# Altium PCB LOGTURTLE_APR_25_TX.PcbDoc (part 4 of 5) (continued)
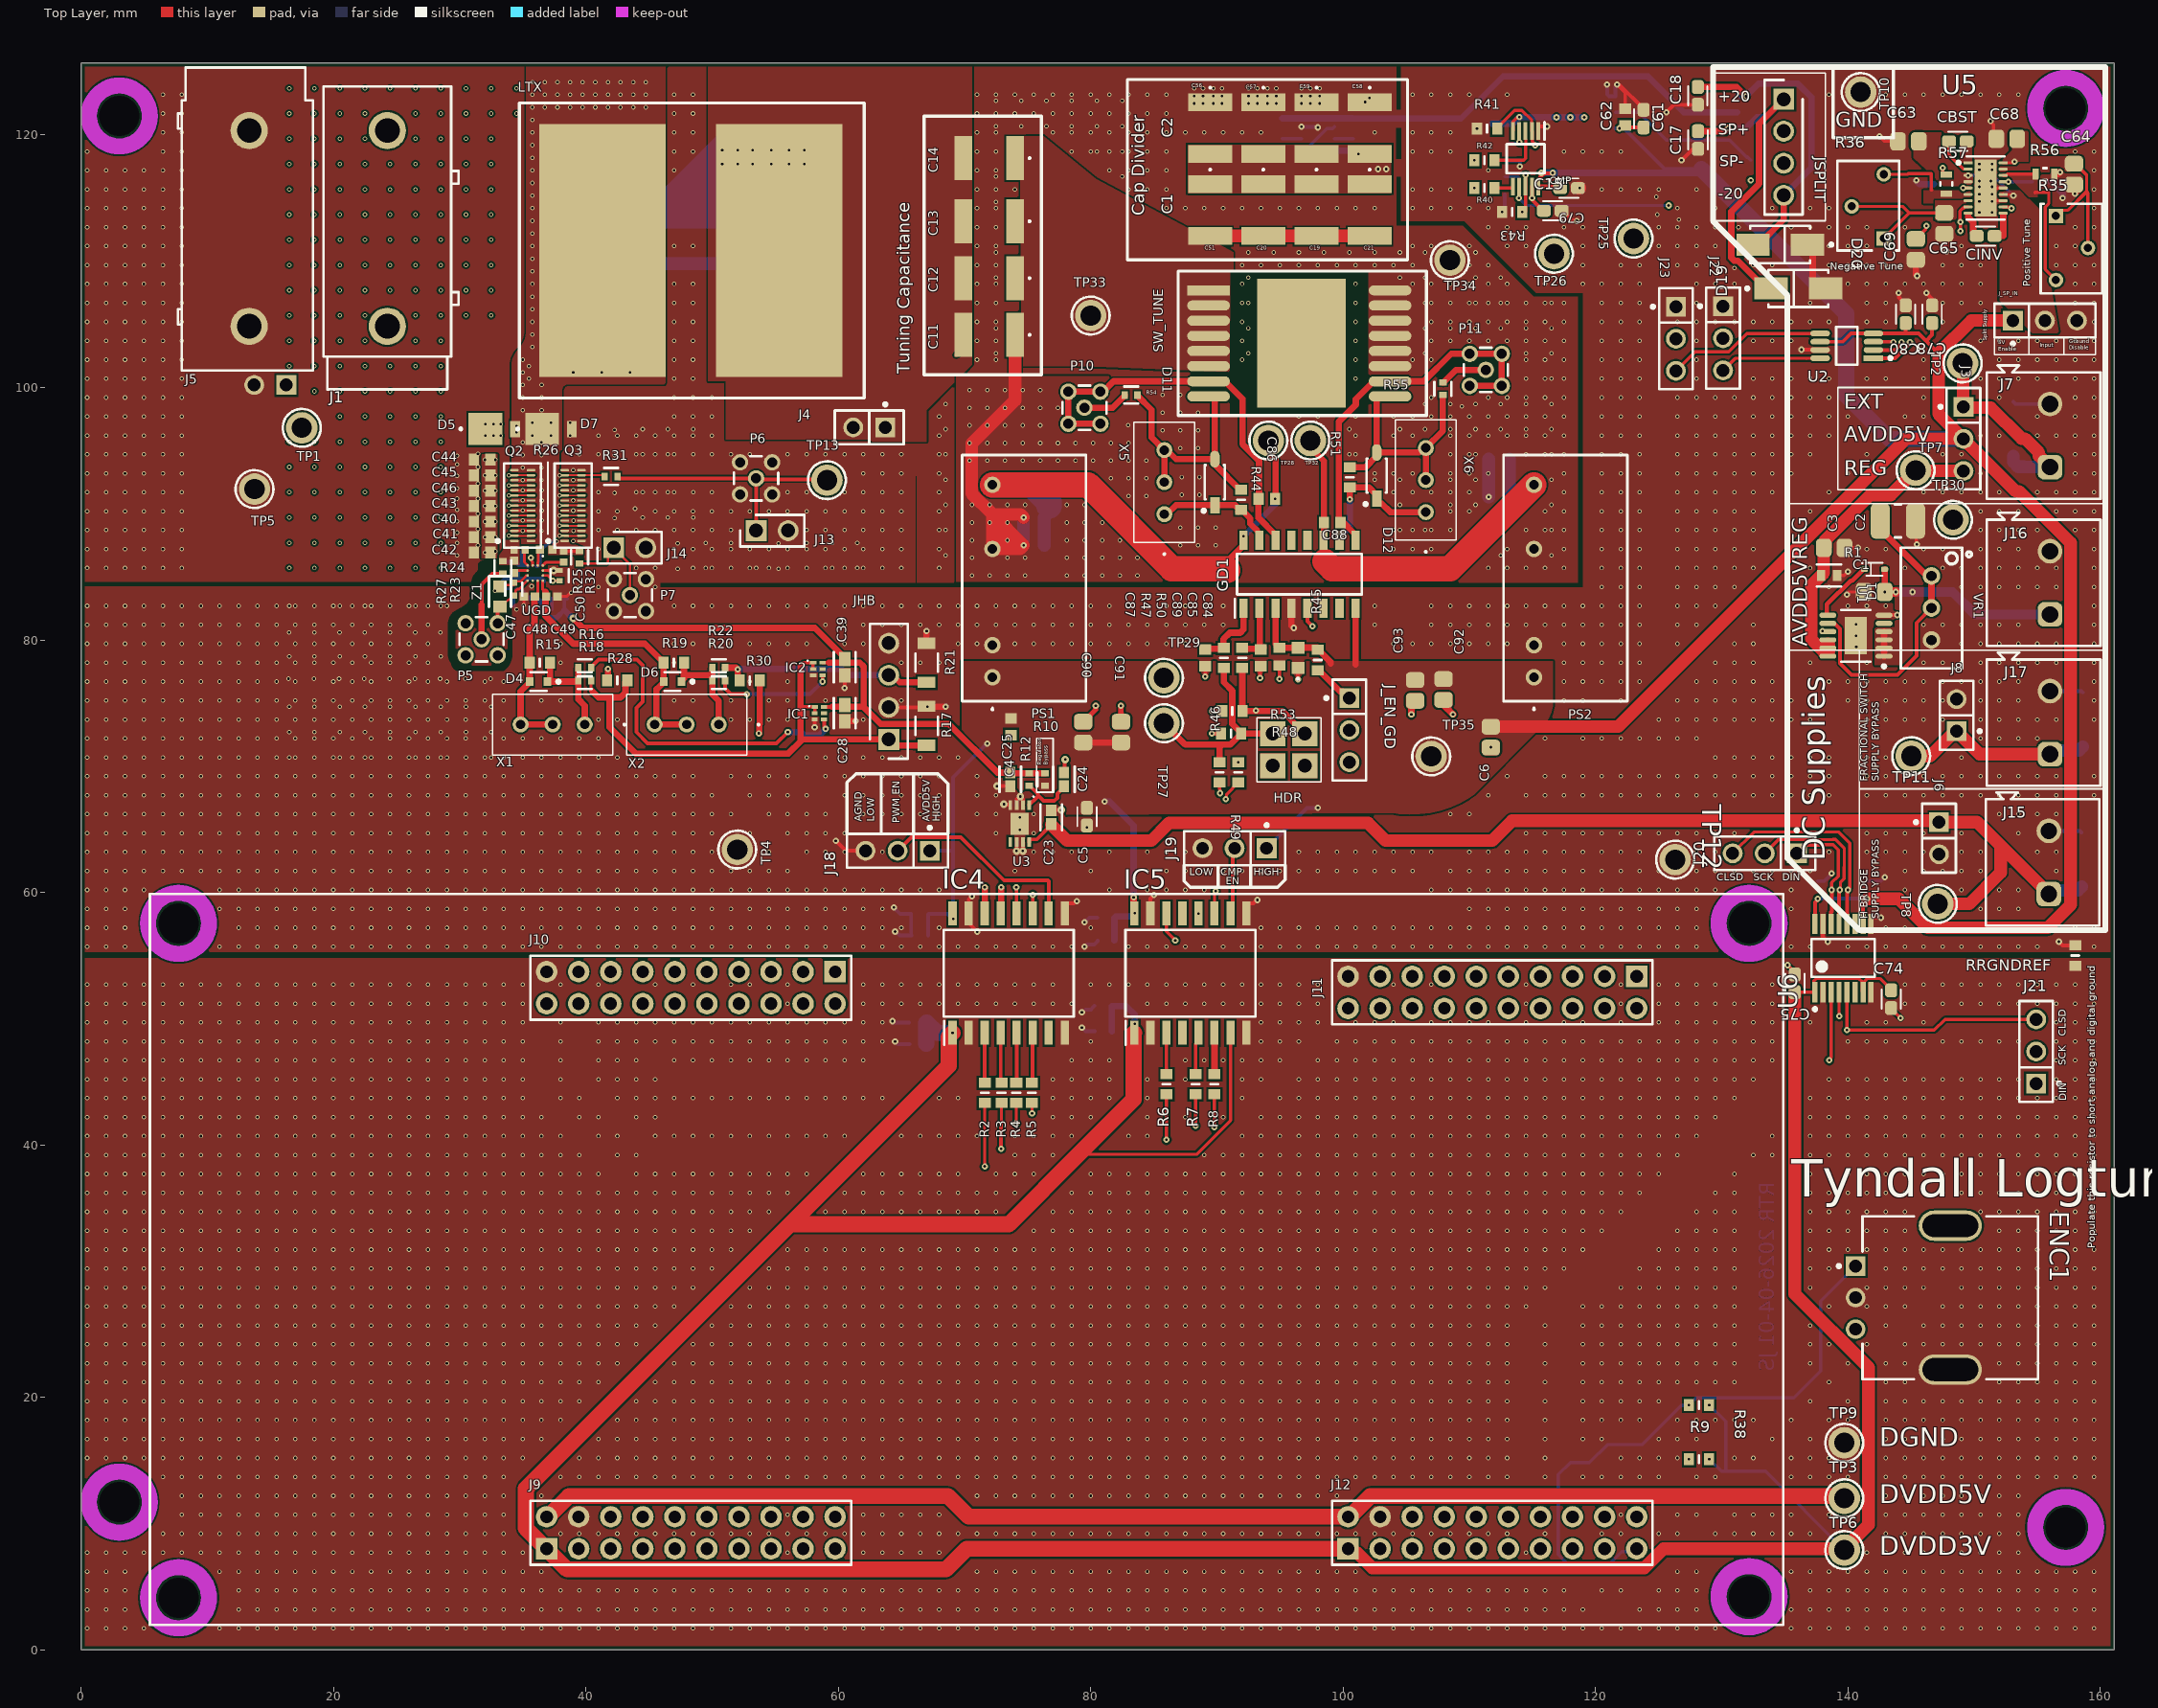
[diagram p0: Top Layer view]
## Nets (pads, with @x,y where several pads share a name; then routed paths per layer and width w, separated by ;. In a path a pad name is that pad's centre, name@x,y a point inside that pad or via, vN(x,y) a via of type N, cw(c..) or ccw(c..) an arc to the next point about the centre after c; other vN are vias at no path point) (continued)
  other v1: 0.49,55.7 1.99,55.7 3.49,55.7 10.99,55.7 12.49,55.7 13.99,55.7 15.49,55.7 16.99,55.7 18.49,55.7 19.99,55.7 21.49,55.7 22.99,55.7 24.49,55.7 25.99,55.7 27.49,55.7 28.99,55.7 30.49,55.7 31.99,55.7 33.49,55.7 34.99,55.7 36.49,55.7 37.99,55.7 39.49,55.7 40.99,55.7 42.49,55.7 43.99,55.7 45.49,55.7 46.99,55.7 48.49,55.7 49.99,55.7 51.49,55.7 52.99,55.7 54.49,55.7 55.99,55.7 57.49,55.7 58.99,55.7 60.49,55.7 61.99,55.7 63.49,55.7 64.99,55.7 66.49,55.7 67.99,55.7 69.49,55.7 70.99,55.7 72.49,55.7 73.99,55.7 75.49,55.7 76.99,55.7 78.49,55.7 82.99,55.7 84.49,55.7 85.99,55.7 87.49,55.7 88.99,55.7 90.49,55.7 91.99,55.7 93.49,55.7 94.99,55.7 96.49,55.7 97.99,55.7 99.49,55.7 100.99,55.7 102.49,55.7 103.99,55.7 105.49,55.7 106.99,55.7 108.49,55.7 109.99,55.7 111.49,55.7 112.99,55.7 114.49,55.7 115.99,55.7 117.49,55.7 118.99,55.7 120.49,55.7 121.99,55.7 123.49,55.7 124.99,55.7 126.49,55.7 127.99,55.7 135.49,55.7 136.99,55.7 139.99,55.7 141.49,55.7 142.99,55.7 144.49,55.7 145.99,55.7 147.49,55.7 148.99,55.7 150.49,55.7 151.99,55.7 153.49,55.7 154.99,55.7 159.49,55.7 0.49,57.2 1.99,57.2 3.49,57.2 12.49,57.2 13.99,57.2 15.49,57.2 16.99,57.2 18.49,57.2 19.99,57.2 21.49,57.2 22.99,57.2 24.49,57.2 25.99,57.2 27.49,57.2 28.99,57.2 30.49,57.2 31.99,57.2 33.49,57.2 34.99,57.2 36.49,57.2 37.99,57.2 39.49,57.2 40.99,57.2 42.49,57.2 43.99,57.2 45.49,57.2 46.99,57.2 48.49,57.2 49.99,57.2 51.49,57.2 52.99,57.2 54.49,57.2 55.99,57.2 57.49,57.2 58.99,57.2 60.49,57.2 61.99,57.2 63.49,57.2 64.99,57.2 67.99,57.2 79.99,57.2 93.49,57.2 94.99,57.2 96.49,57.2 97.99,57.2 99.49,57.2 100.99,57.2 102.49,57.2 103.99,57.2 105.49,57.2 106.99,57.2 108.49,57.2 109.99,57.2 111.49,57.2 112.99,57.2 114.49,57.2 115.99,57.2 117.49,57.2 118.99,57.2 120.49,57.2 121.99,57.2 123.49,57.2 124.99,57.2 126.49,57.2 127.99,57.2 142.99,57.2 144.49,57.2 157.99,57.2 159.49,57.2 0.49,58.7 1.99,58.7 3.49,58.7 10.99,58.7 12.49,58.7 13.99,58.7 15.49,58.7 16.99,58.7 18.49,58.7 19.99,58.7 21.49,58.7 22.99,58.7 24.49,58.7 25.99,58.7 27.49,58.7 28.99,58.7 30.49,58.7 31.99,58.7 33.49,58.7 34.99,58.7 36.49,58.7 37.99,58.7 39.49,58.7 40.99,58.7 42.49,58.7 43.99,58.7 45.49,58.7 46.99,58.7 48.49,58.7 49.99,58.7 51.49,58.7 52.99,58.7 54.49,58.7 55.99,58.7 57.49,58.7 58.99,58.7 60.49,58.7 61.99,58.7 63.49,58.7 109.99,58.7 111.49,58.7 112.99,58.7 114.49,58.7 115.99,58.7 117.49,58.7 118.99,58.7 120.49,58.7 121.99,58.7 123.49,58.7 124.99,58.7 126.49,58.7 127.99,58.7 135.49,58.7 150.49,58.7 151.99,58.7 153.49,58.7 0.49,60.2 1.99,60.2 3.49,60.2 4.99,60.2 10.99,60.2 12.49,60.2 13.99,60.2 15.49,60.2 16.99,60.2 18.49,60.2 19.99,60.2 21.49,60.2 22.99,60.2 24.49,60.2 25.99,60.2 27.49,60.2 28.99,60.2 30.49,60.2 31.99,60.2 33.49,60.2 34.99,60.2 36.49,60.2 37.99,60.2 39.49,60.2 40.99,60.2 42.49,60.2 43.99,60.2 45.49,60.2 46.99,60.2 48.49,60.2 49.99,60.2 51.49,60.2 52.99,60.2 54.49,60.2 55.99,60.2 57.49,60.2 58.99,60.2 60.49,60.2 61.99,60.2 63.49,60.2 64.99,60.2 66.49,60.2 67.99,60.2 81.49,60.2 84.49,60.2 85.99,60.2 87.49,60.2 88.99,60.2 106.99,60.2 108.49,60.2 109.99,60.2 111.49,60.2 112.99,60.2 114.49,60.2 115.99,60.2 117.49,60.2 118.99,60.2 120.49,60.2 121.99,60.2 123.49,60.2 124.99,60.2 126.49,60.2 127.99,60.2 129.49,60.2 135.49,60.2 144.49,60.2 148.99,60.2 151.99,60.2 153.49,60.2 0.49,61.7 1.99,61.7 3.49,61.7 4.99,61.7 6.49,61.7 7.99,61.7 9.49,61.7 10.99,61.7 12.49,61.7 13.99,61.7 15.49,61.7 16.99,61.7 18.49,61.7 19.99,61.7 21.49,61.7 22.99,61.7 24.49,61.7 25.99,61.7 27.49,61.7 28.99,61.7 30.49,61.7 31.99,61.7 33.49,61.7 34.99,61.7 36.49,61.7 37.99,61.7 39.49,61.7 40.99,61.7 42.49,61.7 43.99,61.7 45.49,61.7 46.99,61.7 48.49,61.7 49.99,61.7 51.49,61.7 52.99,61.7 54.49,61.7 55.99,61.7 73.99,61.7 79.99,61.7 84.49,61.7 85.99,61.7 87.49,61.7 88.99,61.7 90.49,61.7 91.99,61.7 93.49,61.7 94.99,61.7 96.49,61.7 97.99,61.7 99.49,61.7 100.99,61.7 102.49,61.7 103.99,61.7 105.49,61.7 108.49,61.7 109.99,61.7 111.49,61.7 112.99,61.7 114.49,61.7 115.99,61.7 117.49,61.7 118.99,61.7 120.49,61.7 121.99,61.7 123.49,61.7 124.99,61.7 127.99,61.7 129.49,61.7 130.99,61.7 132.49,61.7 133.99,61.7 135.49,61.7 136.99,61.7 144.49,61.7 145.99,61.7 147.49,61.7 148.99,61.7 150.49,61.7 156.49,61.7 0.49,63.2 1.99,63.2 3.49,63.2 4.99,63.2 6.49,63.2 7.99,63.2 9.49,63.2 10.99,63.2 12.49,63.2 13.99,63.2 15.49,63.2 16.99,63.2 18.49,63.2 19.99,63.2 21.49,63.2 22.99,63.2 24.49,63.2 25.99,63.2 27.49,63.2 28.99,63.2 30.49,63.2 31.99,63.2 33.49,63.2 34.99,63.2 36.49,63.2 37.99,63.2 39.49,63.2 40.99,63.2 42.49,63.2 43.99,63.2 45.49,63.2 46.99,63.2 48.49,63.2 49.99,63.2 54.49,63.2 57.49,63.2 58.99,63.2 60.49,63.2 63.49,63.2 75.49,63.2 76.99,63.2 78.49,63.2 81.49,63.2 84.49,63.2 85.99,63.2 87.49,63.2 96.49,63.2 97.99,63.2 99.49,63.2 100.99,63.2 102.49,63.2 103.99,63.2 105.49,63.2 106.99,63.2 109.99,63.2 111.49,63.2 112.99,63.2 114.49,63.2 115.99,63.2 117.49,63.2 118.99,63.2 120.49,63.2 121.99,63.2 123.49,63.2 127.99,63.2 129.49,63.2 138.49,63.2 141.49,63.2 142.99,63.2 144.49,63.2 145.99,63.2 148.99,63.2 150.49,63.2 154.99,63.2 156.49,63.2 0.49,64.7 1.99,64.7 3.49,64.7 4.99,64.7 6.49,64.7 7.99,64.7 9.49,64.7 10.99,64.7 12.49,64.7 13.99,64.7 15.49,64.7 16.99,64.7 18.49,64.7 19.99,64.7 21.49,64.7 22.99,64.7 24.49,64.7 25.99,64.7 27.49,64.7 28.99,64.7 30.49,64.7 31.99,64.7 33.49,64.7 34.99,64.7 36.49,64.7 37.99,64.7 39.49,64.7 40.99,64.7 42.49,64.7 43.99,64.7 45.49,64.7 46.99,64.7 48.49,64.7 49.99,64.7 52.99,64.7 55.99,64.7 57.49,64.7 58.99,64.7 60.49,64.7 72.49,64.7 75.49,64.7 114.49,64.7 115.99,64.7 117.49,64.7 118.99,64.7 120.49,64.7 121.99,64.7 123.49,64.7 124.99,64.7 126.49,64.7 127.99,64.7 129.49,64.7 130.99,64.7 141.49,64.7 142.99,64.7 144.49,64.7 145.99,64.7 148.99,64.7 153.49,64.7 0.49,66.2 1.99,66.2 3.49,66.2 4.99,66.2 6.49,66.2 7.99,66.2 9.49,66.2 10.99,66.2 12.49,66.2 13.99,66.2 15.49,66.2 16.99,66.2 18.49,66.2 19.99,66.2 21.49,66.2 22.99,66.2 24.49,66.2 25.99,66.2 27.49,66.2 28.99,66.2 30.49,66.2 31.99,66.2 33.49,66.2 34.99,66.2 36.49,66.2 37.99,66.2 39.49,66.2 40.99,66.2 42.49,66.2 43.99,66.2 45.49,66.2 46.99,66.2 48.49,66.2 49.99,66.2 51.49,66.2 54.49,66.2 55.99,66.2 57.49,66.2 58.99,66.2 61.99,66.2 63.49,66.2 64.99,66.2 66.49,66.2 67.99,66.2 70.99,66.2 72.49,66.2 75.49,66.2 108.49,66.2 109.99,66.2 151.99,66.2 153.49,66.2 154.99,66.2 156.49,66.2 0.49,67.7 1.99,67.7 3.49,67.7 4.99,67.7 6.49,67.7 7.99,67.7 9.49,67.7 10.99,67.7 12.49,67.7 13.99,67.7 15.49,67.7 16.99,67.7 18.49,67.7 19.99,67.7 21.49,67.7 22.99,67.7 24.49,67.7 25.99,67.7 27.49,67.7 28.99,67.7 30.49,67.7 31.99,67.7 33.49,67.7 34.99,67.7 36.49,67.7 37.99,67.7 39.49,67.7 40.99,67.7 42.49,67.7 43.99,67.7 45.49,67.7 46.99,67.7 48.49,67.7 49.99,67.7 52.99,67.7 54.49,67.7 55.99,67.7 57.49,67.7 60.49,67.7 61.99,67.7 63.49,67.7 64.99,67.7 66.49,67.7 67.99,67.7 70.99,67.7 72.49,67.7 111.49,67.7 114.49,67.7 115.99,67.7 117.49,67.7 118.99,67.7 120.49,67.7 121.99,67.7 123.49,67.7 124.99,67.7 126.49,67.7 127.99,67.7 129.49,67.7 130.99,67.7 132.49,67.7 133.99,67.7 135.49,67.7 136.99,67.7 138.49,67.7 141.49,67.7 142.99,67.7 144.49,67.7 145.99,67.7 147.49,67.7 148.99,67.7 150.49,67.7 151.99,67.7 153.49,67.7 154.99,67.7 156.49,67.7 159.49,67.7 0.49,69.2 1.99,69.2 3.49,69.2 4.99,69.2 6.49,69.2 7.99,69.2 9.49,69.2 10.99,69.2 12.49,69.2 13.99,69.2 15.49,69.2 16.99,69.2 18.49,69.2 19.99,69.2 21.49,69.2 22.99,69.2 24.49,69.2 25.99,69.2 27.49,69.2 28.99,69.2 30.49,69.2 31.99,69.2 33.49,69.2 34.99,69.2 36.49,69.2 37.99,69.2 39.49,69.2 40.99,69.2 42.49,69.2 43.99,69.2 45.49,69.2 46.99,69.2 48.49,69.2 51.49,69.2 52.99,69.2 54.49,69.2 55.99,69.2 58.99,69.2 60.49,69.2 61.99,69.2 63.49,69.2 64.99,69.2 66.49,69.2 67.99,69.2 70.99,69.2 112.99,69.2 115.99,69.2 117.49,69.2 118.99,69.2 120.49,69.2 121.99,69.2 123.49,69.2 124.99,69.2 126.49,69.2 127.99,69.2 129.49,69.2 130.99,69.2 132.49,69.2 133.99,69.2 135.49,69.2 136.99,69.2 138.49,69.2 141.49,69.2 142.99,69.2 144.49,69.2 145.99,69.2 147.49,69.2 148.99,69.2 150.49,69.2 151.99,69.2 153.49,69.2 154.99,69.2 156.49,69.2 159.49,69.2 0.49,70.7 1.99,70.7 3.49,70.7 4.99,70.7 6.49,70.7 7.99,70.7 9.49,70.7 10.99,70.7 12.49,70.7 13.99,70.7 15.49,70.7 16.99,70.7 19.99,70.7 21.49,70.7 22.99,70.7 25.99,70.7 27.49,70.7 28.99,70.7 31.99,70.7 33.49,70.7 34.99,70.7 36.49,70.7 37.99,70.7 39.49,70.7 40.99,70.7 42.49,70.7 57.49,70.7 58.99,70.7 60.49,70.7 61.99,70.7 63.49,70.7 64.99,70.7 66.49,70.7 67.99,70.7 69.49,70.7 129.49,70.7 130.99,70.7 132.49,70.7 133.99,70.7 135.49,70.7 136.99,70.7 138.49,70.7 141.49,70.7 142.99,70.7 148.99,70.7 0.49,72.2 1.99,72.2 3.49,72.2 4.99,72.2 6.49,72.2 7.99,72.2 9.49,72.2 10.99,72.2 12.49,72.2 13.99,72.2 15.49,72.2 16.99,72.2 18.49,72.2 19.99,72.2 21.49,72.2 22.99,72.2 24.49,72.2 25.99,72.2 27.49,72.2 28.99,72.2 30.49,72.2 31.99,72.2 33.49,72.2 34.99,72.2 36.49,72.2 37.99,72.2 39.49,72.2 40.99,72.2 115.99,72.2 118.99,72.2 120.49,72.2 121.99,72.2 123.49,72.2 124.99,72.2 126.49,72.2 127.99,72.2 150.49,72.2 151.99,72.2 153.49,72.2 154.99,72.2 0.49,73.7 1.99,73.7 3.49,73.7 4.99,73.7 6.49,73.7 7.99,73.7 9.49,73.7 10.99,73.7 12.49,73.7 13.99,73.7 15.49,73.7 16.99,73.7 18.49,73.7 19.99,73.7 21.49,73.7 22.99,73.7 24.49,73.7 25.99,73.7 27.49,73.7 28.99,73.7 30.49,73.7 31.99,73.7 33.49,73.7 40.99,73.7 42.49,73.7 51.49,73.7 52.99,73.7 54.49,73.7 55.99,73.7 61.99,73.7 124.99,73.7 126.49,73.7 127.99,73.7 129.49,73.7 130.99,73.7 132.49,73.7 133.99,73.7 135.49,73.7 136.99,73.7 141.49,73.7 142.99,73.7 144.49,73.7 145.99,73.7 147.49,73.7 150.49,73.7 151.99,73.7 153.49,73.7 154.99,73.7 156.49,73.7 159.49,73.7 0.49,75.2 1.99,75.2 3.49,75.2 4.99,75.2 6.49,75.2 7.99,75.2 9.49,75.2 10.99,75.2 12.49,75.2 13.99,75.2 15.49,75.2 16.99,75.2 18.49,75.2 19.99,75.2 21.49,75.2 22.99,75.2 24.49,75.2 25.99,75.2 27.49,75.2 28.99,75.2 30.49,75.2 31.99,75.2 33.49,75.2 36.49,75.2 37.99,75.2 46.99,75.2 48.49,75.2 51.49,75.2 54.49,75.2 55.99,75.2 58.99,75.2 64.99,75.2 117.49,75.2 118.99,75.2 121.99,75.2 126.49,75.2 127.99,75.2 129.49,75.2 130.99,75.2 132.49,75.2 133.99,75.2 135.49,75.2 139.99,75.2 141.49,75.2 142.99,75.2 144.49,75.2 145.99,75.2 147.49,75.2 150.49,75.2 151.99,75.2 153.49,75.2 159.49,75.2 0.49,76.7 1.99,76.7 3.49,76.7 4.99,76.7 6.49,76.7 7.99,76.7 9.49,76.7 10.99,76.7 12.49,76.7 13.99,76.7 15.49,76.7 16.99,76.7 19.99,76.7 21.49,76.7 22.99,76.7 25.99,76.7 27.49,76.7 28.99,76.7 31.99,76.7 33.49,76.7 52.99,76.7 55.99,76.7 117.49,76.7 118.99,76.7 120.49,76.7 121.99,76.7 123.49,76.7 127.99,76.7 129.49,76.7 130.99,76.7 132.49,76.7 133.99,76.7 138.49,76.7 139.99,76.7 141.49,76.7 142.99,76.7 144.49,76.7 145.99,76.7 147.49,76.7 148.99,76.7 150.49,76.7 151.99,76.7 153.49,76.7 159.49,76.7 0.49,78.2 1.99,78.2 3.49,78.2 4.99,78.2 6.49,78.2 7.99,78.2 9.49,78.2 10.99,78.2 12.49,78.2 13.99,78.2 15.49,78.2 16.99,78.2 18.49,78.2 19.99,78.2 21.49,78.2 22.99,78.2 24.49,78.2 25.99,78.2 27.49,78.2 37.99,78.2 46.99,78.2 64.99,78.2 66.49,78.2 67.99,78.2 117.49,78.2 118.99,78.2 120.49,78.2 121.99,78.2 123.49,78.2 129.49,78.2 130.99,78.2 132.49,78.2 136.99,78.2 141.49,78.2 145.99,78.2 147.49,78.2 148.99,78.2 150.49,78.2 151.99,78.2 153.49,78.2 154.99,78.2 156.49,78.2 159.49,78.2 0.49,79.7 1.99,79.7 3.49,79.7 4.99,79.7 6.49,79.7 7.99,79.7 9.49,79.7 10.99,79.7 12.49,79.7 13.99,79.7 15.49,79.7 16.99,79.7 18.49,79.7 19.99,79.7 21.49,79.7 22.99,79.7 24.49,79.7 25.99,79.7 27.49,79.7 36.49,79.7 37.99,79.7 46.99,79.7 48.49,79.7 49.99,79.7 51.49,79.7 52.99,79.7 54.49,79.7 55.99,79.7 57.49,79.7 60.49,79.7 61.99,79.7 69.49,79.7 70.99,79.7 73.99,79.7 75.49,79.7 76.99,79.7 78.49,79.7 79.99,79.7 81.49,79.7 82.99,79.7 84.49,79.7 85.99,79.7 87.49,79.7 103.99,79.7 105.49,79.7 106.99,79.7 108.49,79.7 109.99,79.7 111.49,79.7 112.99,79.7 117.49,79.7 118.99,79.7 120.49,79.7 121.99,79.7 123.49,79.7 126.49,79.7 130.99,79.7 132.49,79.7 148.99,79.7 150.49,79.7 151.99,79.7 153.49,79.7 154.99,79.7 156.49,79.7 159.49,79.7 0.49,81.2 1.99,81.2 3.49,81.2 4.99,81.2 6.49,81.2 7.99,81.2 9.49,81.2 10.99,81.2 12.49,81.2 13.99,81.2 15.49,81.2 16.99,81.2 18.49,81.2 19.99,81.2 21.49,81.2 22.99,81.2 24.49,81.2 25.99,81.2 27.49,81.2 58.99,81.2 60.49,81.2 61.99,81.2 63.49,81.2 64.99,81.2 66.49,81.2 67.99,81.2 69.49,81.2 70.99,81.2 72.49,81.2 73.99,81.2 75.49,81.2 76.99,81.2 78.49,81.2 79.99,81.2 81.49,81.2 82.99,81.2 84.49,81.2 85.99,81.2 87.49,81.2 88.99,81.2 90.49,81.2 102.49,81.2 106.99,81.2 108.49,81.2 109.99,81.2 111.49,81.2 112.99,81.2 114.49,81.2 115.99,81.2 117.49,81.2 118.99,81.2 120.49,81.2 121.99,81.2 123.49,81.2 126.49,81.2 127.99,81.2 132.49,81.2 145.99,81.2 147.49,81.2 148.99,81.2 150.49,81.2 151.99,81.2 153.49,81.2 159.49,81.2 0.49,82.7 1.99,82.7 3.49,82.7 4.99,82.7 6.49,82.7 7.99,82.7 9.49,82.7 10.99,82.7 12.49,82.7 13.99,82.7 15.49,82.7 16.99,82.7 19.99,82.7 21.49,82.7 22.99,82.7 25.99,82.7 27.49,82.7 28.99,82.7 39.49,82.7 40.99,82.7 46.99,82.7 48.49,82.7 49.99,82.7 51.49,82.7 52.99,82.7 54.49,82.7 55.99,82.7 57.49,82.7 58.99,82.7 60.49,82.7 61.99,82.7 63.49,82.7 64.99,82.7 66.49,82.7 67.99,82.7 69.49,82.7 70.99,82.7 72.49,82.7 73.99,82.7 75.49,82.7 76.99,82.7 78.49,82.7 79.99,82.7 81.49,82.7 82.99,82.7 84.49,82.7 85.99,82.7 87.49,82.7 88.99,82.7 90.49,82.7 102.49,82.7 106.99,82.7 108.49,82.7 109.99,82.7 111.49,82.7 112.99,82.7 114.49,82.7 115.99,82.7 117.49,82.7 118.99,82.7 120.49,82.7 121.99,82.7 123.49,82.7 126.49,82.7 127.99,82.7 129.49,82.7 139.99,82.7 141.49,82.7 142.99,82.7 159.49,82.7 39.49,84.2 40.99,84.2 45.49,84.2 120.49,84.2 121.99,84.2 123.49,84.2 126.49,84.2 127.99,84.2 129.49,84.2 130.99,84.2 138.49,84.2 148.99,84.2 150.49,84.2 151.99,84.2 153.49,84.2 154.99,84.2 156.49,84.2 159.49,84.2 0.49,85.7 1.99,85.7 3.49,85.7 4.99,85.7 6.49,85.7 7.99,85.7 43.99,85.7 45.49,85.7 48.49,85.7 49.99,85.7 52.99,85.7 54.49,85.7 55.99,85.7 58.99,85.7 60.49,85.7 61.99,85.7 63.49,85.7 64.99,85.7 67.99,85.7 111.49,85.7 112.99,85.7 114.49,85.7 115.99,85.7 117.49,85.7 120.49,85.7 121.99,85.7 123.49,85.7 126.49,85.7 127.99,85.7 129.49,85.7 130.99,85.7 132.49,85.7 136.99,85.7 144.49,85.7 147.49,85.7 148.99,85.7 150.49,85.7 151.99,85.7 153.49,85.7 154.99,85.7 156.49,85.7 159.49,85.7 0.49,87.2 1.99,87.2 3.49,87.2 4.99,87.2 6.49,87.2 7.99,87.2 40.99,87.2 46.99,87.2 48.49,87.2 49.99,87.2 51.49,87.2 52.99,87.2 54.49,87.2 55.99,87.2 57.49,87.2 58.99,87.2 60.49,87.2 61.99,87.2 63.49,87.2 64.99,87.2 67.99,87.2 103.99,87.2 105.49,87.2 106.99,87.2 112.99,87.2 117.49,87.2 120.49,87.2 121.99,87.2 123.49,87.2 126.49,87.2 127.99,87.2 129.49,87.2 130.99,87.2 132.49,87.2 141.49,87.2 142.99,87.2 145.99,87.2 147.49,87.2 148.99,87.2 150.49,87.2 151.99,87.2 153.49,87.2 159.49,87.2 0.49,88.7 1.99,88.7 3.49,88.7 4.99,88.7 6.49,88.7 7.99,88.7 40.99,88.7 42.49,88.7 43.99,88.7 45.49,88.7 46.99,88.7 48.49,88.7 49.99,88.7 51.49,88.7 57.49,88.7 58.99,88.7 60.49,88.7 61.99,88.7 63.49,88.7 64.99,88.7 67.99,88.7 103.99,88.7 105.49,88.7 106.99,88.7 115.99,88.7 117.49,88.7 120.49,88.7 121.99,88.7 123.49,88.7 126.49,88.7 127.99,88.7 129.49,88.7 130.99,88.7 132.49,88.7 150.49,88.7 151.99,88.7 153.49,88.7 154.99,88.7 157.99,88.7 159.49,88.7 0.49,90.2 1.99,90.2 3.49,90.2 4.99,90.2 6.49,90.2 7.99,90.2 40.99,90.2 42.49,90.2 45.49,90.2 46.99,90.2 48.49,90.2 49.99,90.2 51.49,90.2 52.99,90.2 54.49,90.2 55.99,90.2 57.49,90.2 58.99,90.2 60.49,90.2 61.99,90.2 63.49,90.2 64.99,90.2 67.99,90.2 108.49,90.2 109.99,90.2 115.99,90.2 117.49,90.2 120.49,90.2 121.99,90.2 123.49,90.2 126.49,90.2 127.99,90.2 129.49,90.2 130.99,90.2 132.49,90.2 136.99,90.2 150.49,90.2 151.99,90.2 153.49,90.2 156.49,90.2 157.99,90.2 159.49,90.2 0.49,91.7 1.99,91.7 3.49,91.7 4.99,91.7 6.49,91.7 7.99,91.7 40.99,91.7 43.99,91.7 45.49,91.7 46.99,91.7 49.99,91.7 55.99,91.7 57.49,91.7 60.49,91.7 61.99,91.7 63.49,91.7 64.99,91.7 67.99,91.7 103.99,91.7 105.49,91.7 106.99,91.7 108.49,91.7 109.99,91.7 117.49,91.7 120.49,91.7 121.99,91.7 123.49,91.7 126.49,91.7 127.99,91.7 129.49,91.7 130.99,91.7 132.49,91.7 133.99,91.7 138.49,91.7 145.99,91.7 147.49,91.7 148.99,91.7 150.49,91.7 151.99,91.7 154.99,91.7 156.49,91.7 157.99,91.7 159.49,91.7 0.49,93.2 1.99,93.2 3.49,93.2 4.99,93.2 6.49,93.2 7.99,93.2 61.99,93.2 63.49,93.2 64.99,93.2 67.99,93.2 102.49,93.2 103.99,93.2 105.49,93.2 108.49,93.2 109.99,93.2 111.49,93.2 117.49,93.2 120.49,93.2 121.99,93.2 123.49,93.2 126.49,93.2 127.99,93.2 129.49,93.2 130.99,93.2 132.49,93.2 133.99,93.2 135.49,93.2 139.99,93.2 150.49,93.2 157.99,93.2 159.49,93.2 0.49,94.7 1.99,94.7 3.49,94.7 4.99,94.7 6.49,94.7 7.99,94.7 39.49,94.7 40.99,94.7 43.99,94.7 45.49,94.7 46.99,94.7 49.99,94.7 51.49,94.7 52.99,94.7 55.99,94.7 57.49,94.7 58.99,94.7 60.49,94.7 61.99,94.7 63.49,94.7 64.99,94.7 67.99,94.7 100.99,94.7 109.99,94.7 114.49,94.7 115.99,94.7 117.49,94.7 120.49,94.7 121.99,94.7 123.49,94.7 126.49,94.7 127.99,94.7 129.49,94.7 130.99,94.7 132.49,94.7 133.99,94.7 135.49,94.7 136.99,94.7 141.49,94.7 147.49,94.7 148.99,94.7 157.99,94.7 159.49,94.7 0.49,96.2 1.99,96.2 3.49,96.2 4.99,96.2 6.49,96.2 7.99,96.2 40.99,96.2 42.49,96.2 43.99,96.2 45.49,96.2 46.99,96.2 48.49,96.2 49.99,96.2 67.99,96.2 100.99,96.2 103.99,96.2 105.49,96.2 108.49,96.2 109.99,96.2 111.49,96.2 112.99,96.2 114.49,96.2 115.99,96.2 117.49,96.2 120.49,96.2 121.99,96.2 123.49,96.2 126.49,96.2 127.99,96.2 129.49,96.2 130.99,96.2 132.49,96.2 133.99,96.2 135.49,96.2 136.99,96.2 138.49,96.2 150.49,96.2 151.99,96.2 154.99,96.2 156.49,96.2 157.99,96.2 159.49,96.2 0.49,97.7 1.99,97.7 3.49,97.7 4.99,97.7 6.49,97.7 7.99,97.7 46.99,97.7 48.49,97.7 49.99,97.7 67.99,97.7 96.49,97.7 97.99,97.7 100.99,97.7 103.99,97.7 105.49,97.7 106.99,97.7 108.49,97.7 109.99,97.7 111.49,97.7 112.99,97.7 114.49,97.7 115.99,97.7 117.49,97.7 120.49,97.7 121.99,97.7 123.49,97.7 126.49,97.7 127.99,97.7 129.49,97.7 130.99,97.7 132.49,97.7 133.99,97.7 135.49,97.7 136.99,97.7 138.49,97.7 139.99,97.7 144.49,97.7 145.99,97.7 154.99,97.7 157.99,97.7 159.49,97.7 109.4,98.5 0.49,99.2 1.99,99.2 3.49,99.2 4.99,99.2 6.49,99.2 7.99,99.2 46.99,99.2 48.49,99.2 49.99,99.2 106.99,99.2 111.49,99.2 112.99,99.2 114.49,99.2 115.99,99.2 117.49,99.2 120.49,99.2 121.99,99.2 123.49,99.2 126.49,99.2 127.99,99.2 129.49,99.2 130.99,99.2 132.49,99.2 133.99,99.2 135.49,99.2 136.99,99.2 138.49,99.2 141.49,99.2 145.99,99.2 151.99,99.2 157.99,99.2 159.49,99.2 0.49,100.7 1.99,100.7 3.49,100.7 4.99,100.7 6.49,100.7 7.99,100.7 46.99,100.7 48.49,100.7 100.99,100.7 115.99,100.7 117.49,100.7 120.49,100.7 121.99,100.7 123.49,100.7 127.99,100.7 132.49,100.7 133.99,100.7 135.49,100.7 136.99,100.7 138.49,100.7 141.49,100.7 142.99,100.7 145.99,100.7 150.49,100.7 151.99,100.7 153.49,100.7 154.99,100.7 156.49,100.7 157.99,100.7 159.49,100.7 0.49,102.2 1.99,102.2 3.49,102.2 4.99,102.2 6.49,102.2 7.99,102.2 46.99,102.2 48.49,102.2 70.99,102.2 72.49,102.2 91.99,102.2 100.99,102.2 105.49,102.2 106.99,102.2 114.49,102.2 115.99,102.2 117.49,102.2 120.49,102.2 121.99,102.2 123.49,102.2 127.99,102.2 145.99,102.2 151.99,102.2 153.49,102.2 154.99,102.2 156.49,102.2 157.99,102.2 159.49,102.2 0.49,103.7 1.99,103.7 3.49,103.7 4.99,103.7 6.49,103.7 7.99,103.7 46.99,103.7 48.49,103.7 70.99,103.7 72.49,103.7 91.99,103.7 100.99,103.7 106.99,103.7 108.49,103.7 109.99,103.7 111.49,103.7 112.99,103.7 114.49,103.7 115.99,103.7 117.49,103.7 120.49,103.7 121.99,103.7 123.49,103.7 127.99,103.7 132.49,103.7 133.99,103.7 135.49,103.7 150.49,103.7 151.99,103.7 153.49,103.7 154.99,103.7 156.49,103.7 157.99,103.7 159.49,103.7 0.49,105.2 1.99,105.2 3.49,105.2 4.99,105.2 6.49,105.2 7.99,105.2 46.99,105.2 48.49,105.2 70.99,105.2 72.49,105.2 91.99,105.2 100.99,105.2 106.99,105.2 108.49,105.2 109.99,105.2 111.49,105.2 112.99,105.2 114.49,105.2 115.99,105.2 117.49,105.2 120.49,105.2 121.99,105.2 123.49,105.2 126.49,105.2 127.99,105.2 129.49,105.2 130.99,105.2 132.49,105.2 133.99,105.2 135.49,105.2 136.99,105.2 138.49,105.2 141.49,105.2 142.99,105.2 147.49,105.2 159.49,105.2 0.49,106.7 1.99,106.7 3.49,106.7 4.99,106.7 6.49,106.7 7.99,106.7 46.99,106.7 48.49,106.7 70.99,106.7 72.49,106.7 91.99,106.7 100.99,106.7 106.99,106.7 108.49,106.7 109.99,106.7 111.49,106.7 112.99,106.7 115.99,106.7 117.49,106.7 120.49,106.7 121.99,106.7 123.49,106.7 127.99,106.7 136.99,106.7 141.49,106.7 142.99,106.7 147.49,106.7 148.99,106.7 150.49,106.7 157.99,106.7 